# KiCad board BioAmp-EXG-Panel.kicad_pcb (continued)
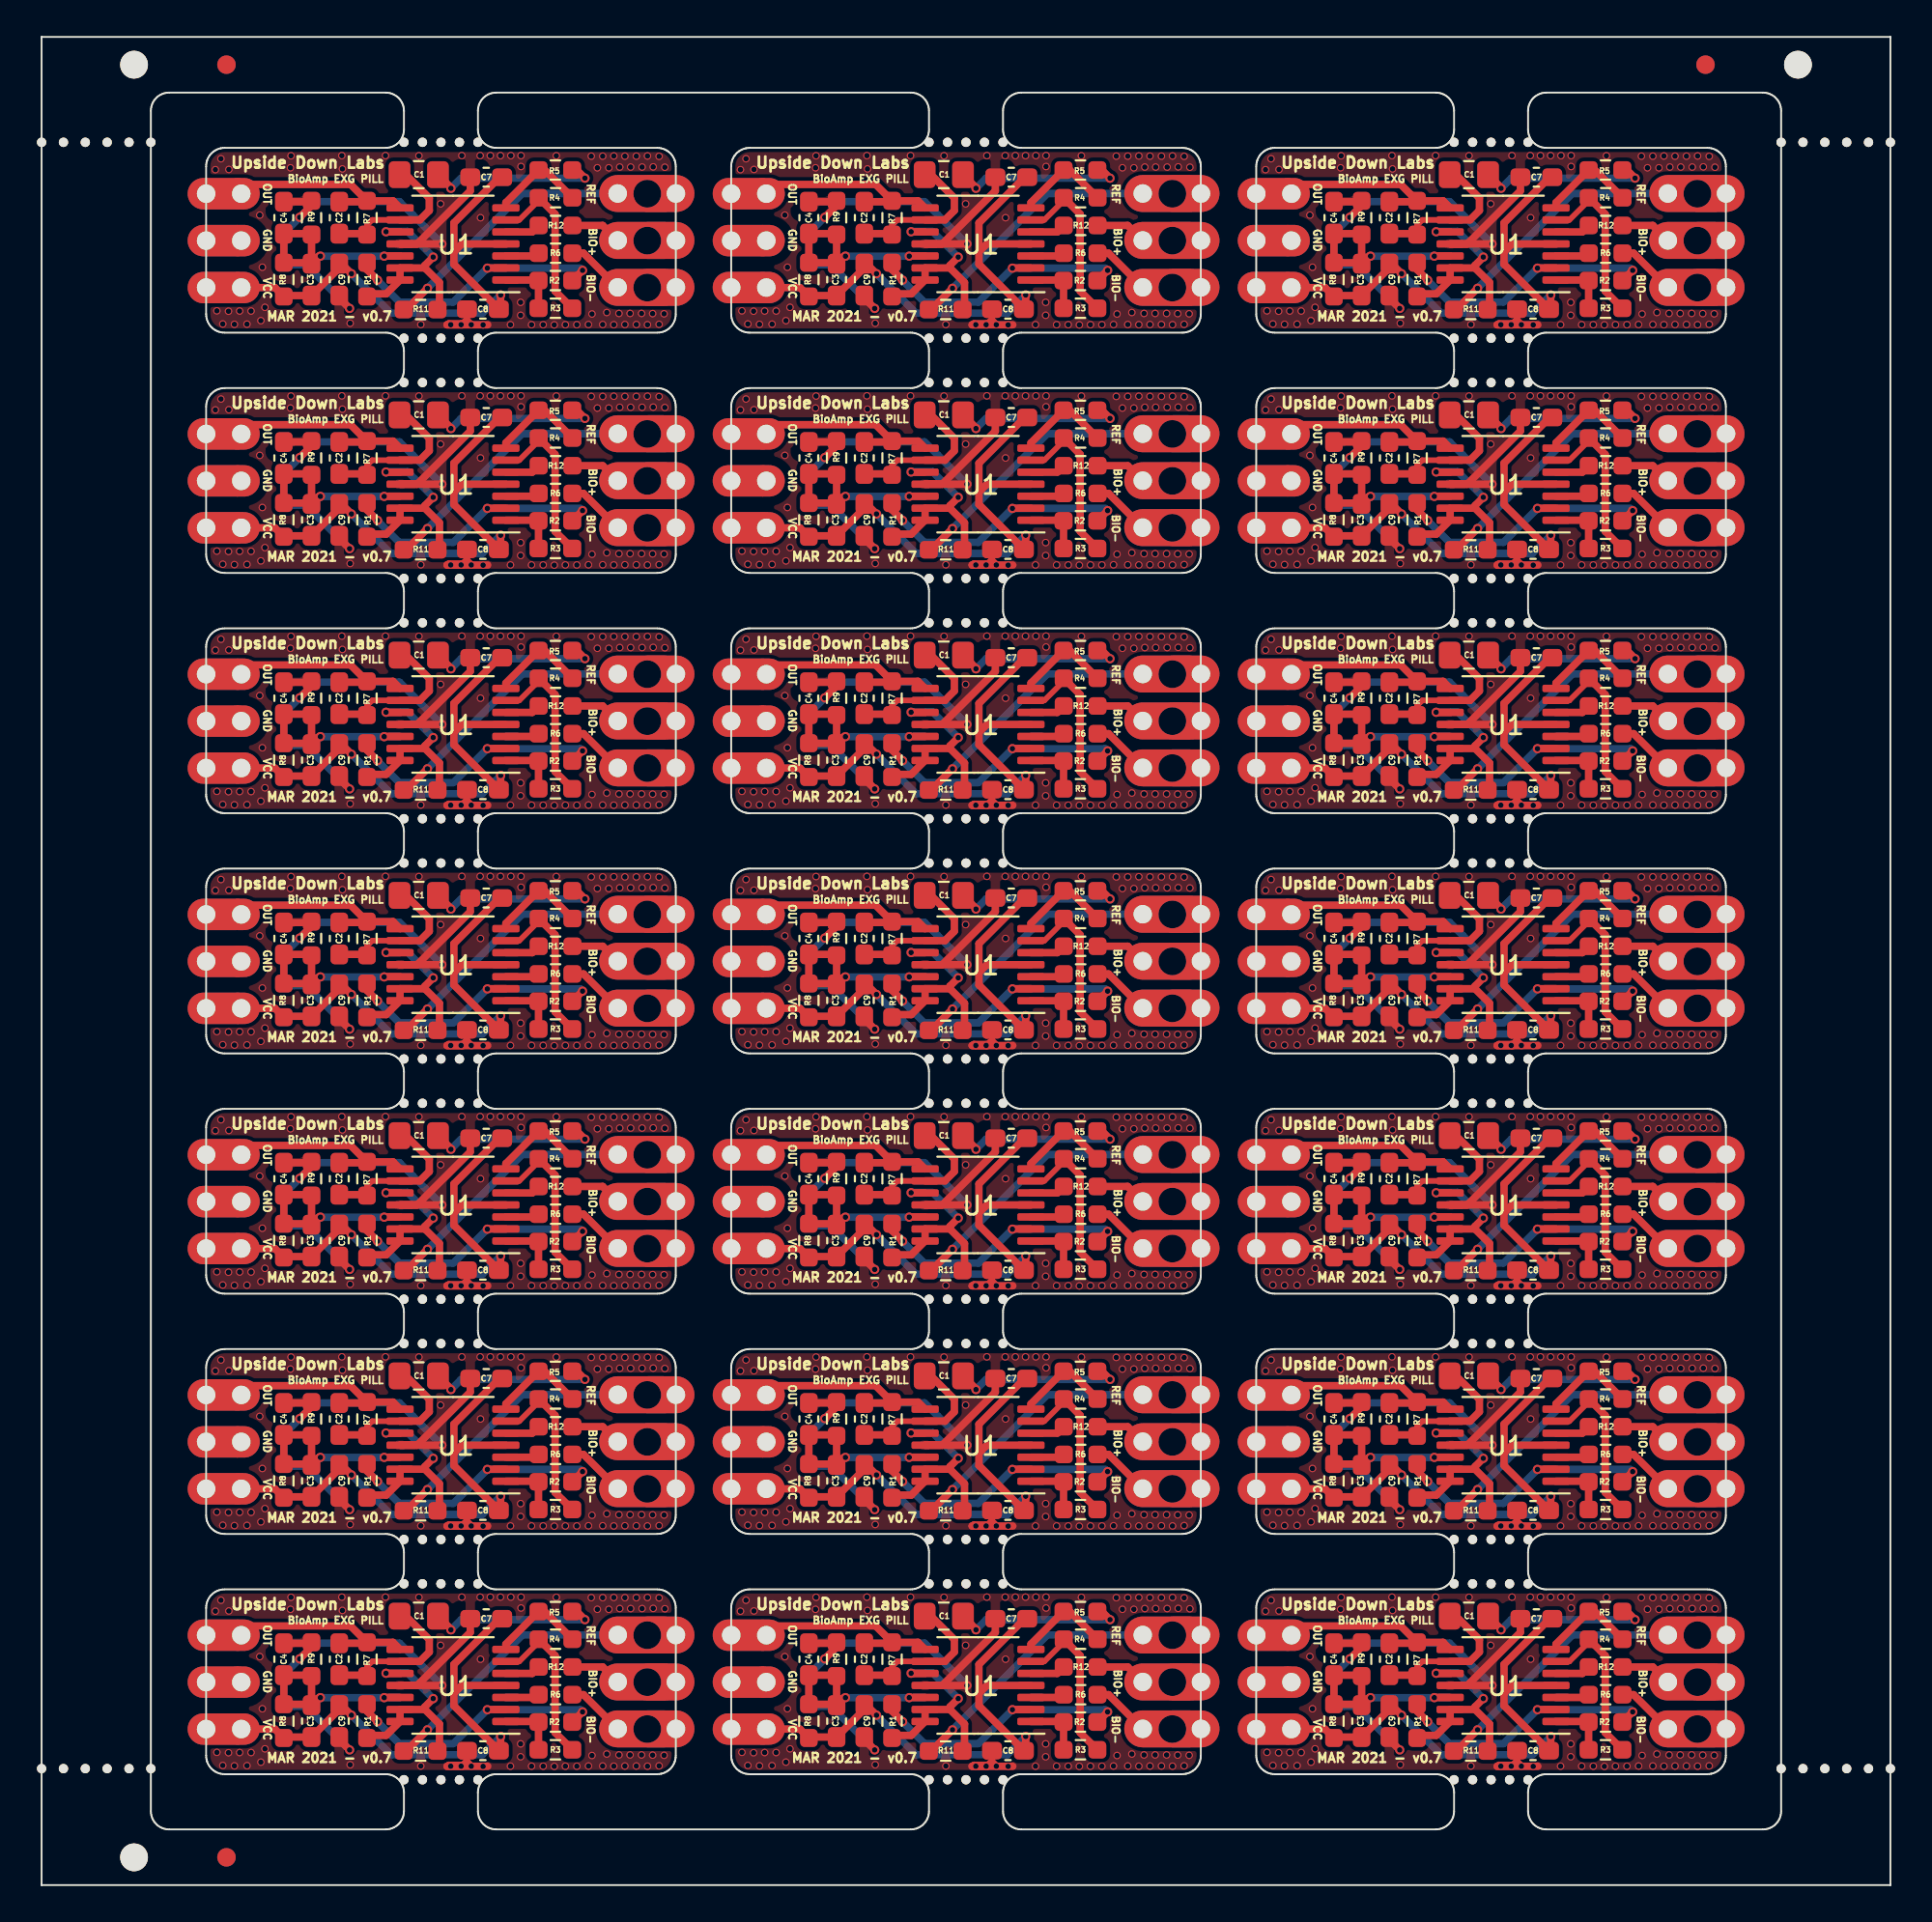
[diagram p0: board, top side]
## Routing (per net, layer and track width the routed paths; a pad name or vN(x,y) marks a point on that pad's centre or on a via; arc(x,y) is an arc through that point) (continued)
  vias: v1(61.16,88.98)
Board_2-BIO-: length 5.3
  Top w0.4: 59.29,86.41 61.1,86.41 ; 57.4,88.3 R6#2.2 57.71,88.3 J1#4.3
  vias: v1(61.16,86.44)
Board_2-DRL: length 14.3
  Top w0.4: 47.99,85.34 R11#2.1 48.12,85.25 v2(49.27,86.4)
  Bottom w0.4: J1#4.1 54.4,91.53 v2(49.27,86.4)
  vias: v1(61.16,91.52)
Board_2-GND: length 35.9
  Top w0.3: 51.13,84.48 51.41,84.76 C8#2.1 51.41,84.72 51.65,84.48
  Top w0.4: C4#2.2 42.95,91.08 R9#2.1 43,90.88 v2(42.36,90.24) ; U1#2.11 48.7,88.8 ; U1#2.11 48.58,88.8 ; U1#2.11 48.71,88.8 51.59,91.67 C7#2.2 ; U1#2.11 v2(50.05,88.8) ; 51.49,85.25 51.34,85.25 ; 51.13,84.99 C8#2.1 51.65,85.03 ; 50.45,84.46 50.43,84.48 51.1,84.48 51.15,84.43 50.33,84.43 52.53,84.43 ; v2(45.06,85.31) 44.5,85.87 C9#2.1
  Bottom w0.4: v2(50.05,88.8) 47.76,91.09 43.21,91.09 v2(42.36,90.24) 41.5,89.38 41.5,88.21 42.04,87.67 42.7,87.67 v2(45.06,85.31)
  vias: v3(37.8,92.82) v3(37.88,85.18) v3(38.1,93.41) v3(38.2,84.47) v3(38.53,92.83) v3(38.51,85.16) v3(38.83,84.45) v3(39.11,85.17) v3(39.51,84.46) v3(39.73,85.17) v3(40.2,90.36) v3(40.34,87.54) v3(40.26,84.65) v3(40.48,85.37) v3(41.89,93.57) v3(41.86,92.92) v3(44.64,93.58) v3(44.67,92.86) v3(45.09,84.51) v3(47,93.58) v3(48.81,93.57) v3(48.91,84.44) v3(49.98,90.97) v3(50.53,84.43) v3(51.13,93.58) v3(51.09,84.43) v3(51.64,84.43) v3(52.12,93.58) v3(52.14,90.22) v3(52.28,84.42) v3(52.67,93.58) v3(53.22,93.58) v3(53.78,93.58) v3(53.76,84.43) v3(54.33,93.58) v3(54.33,92.99) v3(54.31,85.64) v3(54.31,84.94) v3(54.9,84.43) v3(55.53,84.43) v3(56.13,84.42) v3(56.24,93.57) v3(56.73,84.43) v3(57.35,84.43) v3(57.98,84.44) v3(58.13,93.55) v3(58.17,85.01) v3(58.46,92.92) v3(58.75,93.55) v3(58.75,84.44) v3(58.97,85.09) v3(59.08,92.92) v3(59.35,93.56) v3(59.35,84.43) v3(59.63,85.04) v3(59.67,92.96) v3(59.95,93.55) v3(59.95,84.44) v3(60.23,85.04) v3(60.26,92.96) v3(60.57,93.55) v3(60.57,84.44) v3(60.88,92.96) v3(60.85,85.04) v3(61.17,93.56) v3(61.17,84.43) v3(61.48,92.97) v3(61.45,85.03) v3(61.8,93.54) v3(61.8,84.45) v3(62.11,92.95) v3(62.07,85.02)
Board_2-inaOUT: length 5.2
  Top w0.4: R4#2.1 55.61,92.8 R5#2.2 53.51,91.03 U1#2.7
Board_2-Net-(C1-Pad1): length 8.6
  Top w0.3: U1#2.9 46.28,90.1 46,89.82 R7#2.2
  Top w0.4: R7#2.2 45.95,89.36 C2#2.2 ; 47.8,92.55 C1#2.1 48.11,92.55 49.37,91.29 49.37,90.61 48.86,90.1 U1#2.9
Board_2-Net-(C1-Pad2): length 9.4
  Top w0.4: 49.84,92.59 C1#2.2 50.54,91.85 v2(50.54,91.81) ; v2(57.79,92.36) 57.35,92.8 R5#2.1
  Bottom w0.4: v2(50.54,91.81) 51.09,92.36 v2(57.79,92.36)
Board_2-Net-(R1-Pad1): length 15.3
  Top w0.4: v2(52.51,87.49) 52.52,87.5 U1#2.2 ; v2(57.66,87.37) 57.11,86.82 R2#2.2 ; v2(46.57,86.84) 46,87.41 R1#2.1
  Bottom w0.4: v2(57.66,87.37) 57.54,87.49 v2(52.51,87.49) 50.67,85.65 47.75,85.65 46.61,86.79
Board_2-Net-(R2-Pad1): length 3.3
  Top w0.4: R3#2.2 R2#2.1 55.25,86.85 U1#2.1
Board_2-Net-(R3-Pad1): length 9.1
  Top w0.3: U1#2.6 54.24,90.1 55.29,91.15 R4#2.2
  Top w0.4: R3#2.1 56.18,86.25 56.18,90.41 R4#2.2
Board_2-Net-(R6-Pad1): length 1.8
  Top w0.4: R6#2.1 55.14,88.15 U1#2.3
Board_2-Net-(R12-Pad1): length 1.9
  Top w0.4: R12#2.1 54.94,89.45 U1#2.5
Board_2-OUT: length 11.2
  Top w0.4: R7#2.1 45.95,91.08 C2#2.1 ; R7#2.1 45.11,92.02 39.31,92.02 38.81,91.52 ; R7#2.1 47.41,91.13 U1#2.8
Board_2-VCC: length 30.7
  Top w0.4: 38.81,86.44 41.02,86.44 R8#2.2 41.55,86.01 C3#2.1 44.5,87.51 C9#2.2 44.62,87.73 v2(45.16,87.19) ; 53.21,85.25 53.21,85.52 ; 53.21,85.25 53.21,85.26 ; 53.21,85.25 53.21,85.27 ; U1#2.4 51.13,88.8 50.7,88.37 ; 50.7,88.37 50.7,89.94 53.17,92.41 C7#2.1 ; 50.7,88.37 50.7,87.7 C8#2.2 53.23,85.37 v2(53.23,86.04)
  Top w0.5: 39.15,86.24 38.97,86.42
  Bottom w0.4: v2(53.23,86.04) 52.24,85.05 47.3,85.05 v2(45.16,87.19)
Board_2-vRef: length 11.4
  Top w0.4: C3#2.2 R9#2.2 42.95,89.36 C4#2.1 R8#2.1 42.95,87.78 C3#2.2 ; C3#2.2 43.11,87.73 ; C3#2.2 43.09,87.73 ; C3#2.2 43.41,88.14 v2(43.48,88.14) ; v2(46.93,88.14) 46.94,88.15 U1#2.12
  Bottom w0.4: v2(46.93,88.14) v2(43.48,88.14)
Board_3-ampRef: length 11.4
  Top w0.4: R1#3.2 74.54,86.1 75.44,86.1 U1#3.14 U1#3.13 77.53,87.5 ; R11#3.2 78.32,85.36 78.32,86.71 77.53,87.5 ; 77.53,87.5 77.53,87.64 v2(77.98,88.09) ; 75.43,89.48 75.46,89.45 U1#3.10
  Bottom w0.4: v2(77.98,88.09) 76.59,89.48 75.43,89.48
  vias: v2(75.43,89.46)
Board_3-BIO+: length 2.9
  Top w0.4: 85.6,89.8 R12#3.2 87.15,89.8 J1#6.2
  vias: v1(89.56,88.98)
Board_3-BIO-: length 5.3
  Top w0.4: 87.69,86.41 89.5,86.41 ; 85.8,88.3 R6#3.2 86.11,88.3 J1#6.3
  vias: v1(89.56,86.44)
Board_3-DRL: length 14.3
  Top w0.4: 76.39,85.34 R11#3.1 76.52,85.25 v2(77.67,86.4)
  Bottom w0.4: J1#6.1 82.8,91.53 v2(77.67,86.4)
  vias: v1(89.56,91.52)
Board_3-GND: length 35.9
  Top w0.3: 79.53,84.48 79.81,84.76 C8#3.1 79.81,84.72 80.05,84.48
  Top w0.4: C4#3.2 71.35,91.08 R9#3.1 71.4,90.88 v2(70.76,90.24) ; U1#3.11 77.1,88.8 ; U1#3.11 76.98,88.8 ; U1#3.11 77.11,88.8 79.99,91.67 C7#3.2 ; U1#3.11 v2(78.45,88.8) ; 79.89,85.25 79.74,85.25 ; 79.53,84.99 C8#3.1 80.05,85.03 ; 78.85,84.46 78.83,84.48 79.5,84.48 79.56,84.43 78.73,84.43 80.93,84.43 ; v2(73.46,85.31) 72.9,85.87 C9#3.1
  Bottom w0.4: v2(78.45,88.8) 76.16,91.09 71.61,91.09 v2(70.76,90.24) 69.9,89.38 69.9,88.21 70.44,87.67 71.1,87.67 v2(73.46,85.31)
  vias: v3(66.2,92.82) v3(66.28,85.18) v3(66.5,93.41) v3(66.6,84.47) v3(66.93,92.83) v3(66.91,85.16) v3(67.23,84.45) v3(67.51,85.17) v3(67.91,84.46) v3(68.13,85.17) v3(68.6,90.36) v3(68.74,87.54) v3(68.66,84.65) v3(68.88,85.37) v3(70.29,93.57) v3(70.26,92.92) v3(73.04,93.58) v3(73.07,92.86) v3(73.49,84.51) v3(75.4,93.58) v3(77.21,93.57) v3(77.31,84.44) v3(78.38,90.97) v3(78.93,84.43) v3(79.53,93.58) v3(79.49,84.43) v3(80.04,84.43) v3(80.52,93.58) v3(80.54,90.22) v3(80.68,84.42) v3(81.07,93.58) v3(81.62,93.58) v3(82.18,93.58) v3(82.16,84.43) v3(82.73,93.58) v3(82.73,92.99) v3(82.71,85.64) v3(82.71,84.94) v3(83.3,84.43) v3(83.93,84.43) v3(84.53,84.42) v3(84.64,93.57) v3(85.13,84.43) v3(85.75,84.43) v3(86.38,84.44) v3(86.53,93.55) v3(86.57,85.01) v3(86.86,92.92) v3(87.15,93.55) v3(87.15,84.44) v3(87.37,85.09) v3(87.48,92.92) v3(87.75,93.56) v3(87.75,84.43) v3(88.03,85.04) v3(88.07,92.96) v3(88.35,93.55) v3(88.35,84.44) v3(88.63,85.04) v3(88.66,92.96) v3(88.97,93.55) v3(88.97,84.44) v3(89.28,92.96) v3(89.25,85.04) v3(89.57,93.56) v3(89.57,84.43) v3(89.88,92.97) v3(89.85,85.03) v3(90.2,93.54) v3(90.2,84.45) v3(90.51,92.95) v3(90.47,85.02)
Board_3-inaOUT: length 5.2
  Top w0.4: R4#3.1 84.01,92.8 R5#3.2 81.91,91.03 U1#3.7
Board_3-Net-(C1-Pad1): length 8.6
  Top w0.3: U1#3.9 74.68,90.1 74.4,89.82 R7#3.2
  Top w0.4: R7#3.2 74.35,89.36 C2#3.2 ; 76.2,92.55 C1#3.1 76.51,92.55 77.77,91.29 77.77,90.61 77.26,90.1 U1#3.9
Board_3-Net-(C1-Pad2): length 9.4
  Top w0.4: 78.24,92.59 C1#3.2 78.94,91.85 v2(78.94,91.81) ; v2(86.19,92.36) 85.75,92.8 R5#3.1
  Bottom w0.4: v2(78.94,91.81) 79.49,92.36 v2(86.19,92.36)
Board_3-Net-(R1-Pad1): length 15.3
  Top w0.4: v2(80.91,87.49) 80.92,87.5 U1#3.2 ; v2(86.06,87.37) 85.51,86.82 R2#3.2 ; v2(74.97,86.84) 74.4,87.41 R1#3.1
  Bottom w0.4: v2(86.06,87.37) 85.94,87.49 v2(80.91,87.49) 79.07,85.65 76.15,85.65 75.01,86.79
Board_3-Net-(R2-Pad1): length 3.3
  Top w0.4: R3#3.2 R2#3.1 83.65,86.85 U1#3.1
Board_3-Net-(R3-Pad1): length 9.1
  Top w0.3: U1#3.6 82.64,90.1 83.69,91.15 R4#3.2
  Top w0.4: R3#3.1 84.58,86.25 84.58,90.41 R4#3.2
Board_3-Net-(R6-Pad1): length 1.8
  Top w0.4: R6#3.1 83.54,88.15 U1#3.3
Board_3-Net-(R12-Pad1): length 1.9
  Top w0.4: R12#3.1 83.34,89.45 U1#3.5
Board_3-OUT: length 11.2
  Top w0.4: R7#3.1 74.35,91.08 C2#3.1 ; R7#3.1 73.51,92.02 67.71,92.02 67.21,91.52 ; R7#3.1 75.81,91.13 U1#3.8
Board_3-VCC: length 30.7
  Top w0.4: 67.21,86.44 69.42,86.44 R8#3.2 69.95,86.01 C3#3.1 72.9,87.51 C9#3.2 73.02,87.73 v2(73.56,87.19) ; 81.61,85.25 81.61,85.52 ; 81.61,85.25 81.61,85.26 ; 81.61,85.25 81.61,85.27 ; U1#3.4 79.53,88.8 79.1,88.37 ; 79.1,88.37 79.1,89.94 81.57,92.41 C7#3.1 ; 79.1,88.37 79.1,87.7 C8#3.2 81.63,85.37 v2(81.63,86.04)
  Top w0.5: 67.55,86.24 67.37,86.42
  Bottom w0.4: v2(81.63,86.04) 80.64,85.05 75.7,85.05 v2(73.56,87.19)
Board_3-vRef: length 11.4
  Top w0.4: C3#3.2 R9#3.2 71.35,89.36 C4#3.1 R8#3.1 71.35,87.78 C3#3.2 ; C3#3.2 71.51,87.73 ; C3#3.2 71.49,87.73 ; C3#3.2 71.81,88.14 v2(71.88,88.14) ; v2(75.33,88.14) 75.34,88.15 U1#3.12
  Bottom w0.4: v2(75.33,88.14) v2(71.88,88.14)
Board_4-ampRef: length 11.4
  Top w0.4: R1#4.2 17.74,73.1 18.64,73.1 U1#4.14 U1#4.13 20.73,74.5 ; R11#4.2 21.52,72.36 21.52,73.71 20.73,74.5 ; 20.73,74.5 20.73,74.64 v2(21.18,75.09) ; 18.63,76.48 18.66,76.45 U1#4.10
  Bottom w0.4: v2(21.18,75.09) 19.79,76.48 18.63,76.48
  vias: v2(18.63,76.46)
Board_4-BIO+: length 2.9
  Top w0.4: 28.8,76.8 R12#4.2 30.35,76.8 J1#8.2
  vias: v1(32.76,75.98)
Board_4-BIO-: length 5.3
  Top w0.4: 30.89,73.41 32.7,73.41 ; 29,75.3 R6#4.2 29.31,75.3 J1#8.3
  vias: v1(32.76,73.44)
Board_4-DRL: length 14.3
  Top w0.4: 19.59,72.34 R11#4.1 19.72,72.25 v2(20.87,73.4)
  Bottom w0.4: J1#8.1 26,78.53 v2(20.87,73.4)
  vias: v1(32.76,78.52)
Board_4-GND: length 35.9
  Top w0.3: 22.73,71.48 23.01,71.76 C8#4.1 23.01,71.72 23.25,71.48
  Top w0.4: C4#4.2 14.55,78.08 R9#4.1 14.6,77.88 v2(13.96,77.24) ; U1#4.11 20.3,75.8 ; U1#4.11 20.18,75.8 ; U1#4.11 20.31,75.8 23.19,78.67 C7#4.2 ; U1#4.11 v2(21.65,75.8) ; 23.09,72.25 22.94,72.25 ; 22.73,71.99 C8#4.1 23.25,72.03 ; 22.05,71.46 22.03,71.48 22.7,71.48 22.75,71.42 21.93,71.42 24.13,71.42 ; v2(16.66,72.31) 16.1,72.87 C9#4.1
  Bottom w0.4: v2(21.65,75.8) 19.36,78.09 14.81,78.09 v2(13.96,77.24) 13.1,76.38 13.1,75.21 13.64,74.67 14.3,74.67 v2(16.66,72.31)
  vias: v3(9.4,79.82) v3(9.48,72.18) v3(9.7,80.41) v3(9.8,71.47) v3(10.13,79.83) v3(10.11,72.16) v3(10.43,71.45) v3(10.71,72.17) v3(11.11,71.46) v3(11.33,72.17) v3(11.8,77.36) v3(11.94,74.54) v3(11.86,71.65) v3(12.08,72.37) v3(13.49,80.57) v3(13.46,79.92) v3(16.24,80.58) v3(16.27,79.86) v3(16.69,71.51) v3(18.6,80.58) v3(20.41,80.57) v3(20.51,71.44) v3(21.58,77.97) v3(22.13,71.43) v3(22.73,80.58) v3(22.69,71.43) v3(23.24,71.43) v3(23.72,80.58) v3(23.74,77.22) v3(23.88,71.42) v3(24.27,80.58) v3(24.82,80.58) v3(25.38,80.58) v3(25.36,71.43) v3(25.93,80.58) v3(25.93,79.99) v3(25.91,72.64) v3(25.91,71.94) v3(26.5,71.43) v3(27.13,71.43) v3(27.73,71.42) v3(27.84,80.57) v3(28.33,71.43) v3(28.95,71.43) v3(29.58,71.44) v3(29.73,80.55) v3(29.77,72.01) v3(30.06,79.92) v3(30.35,80.55) v3(30.35,71.44) v3(30.57,72.09) v3(30.68,79.92) v3(30.95,80.56) v3(30.95,71.43) v3(31.23,72.04) v3(31.27,79.96) v3(31.55,80.55) v3(31.55,71.44) v3(31.83,72.04) v3(31.86,79.96) v3(32.17,80.55) v3(32.17,71.44) v3(32.48,79.96) v3(32.45,72.04) v3(32.77,80.56) v3(32.77,71.43) v3(33.08,79.97) v3(33.05,72.03) v3(33.4,80.54) v3(33.4,71.45) v3(33.71,79.95) v3(33.67,72.02)
Board_4-inaOUT: length 5.2
  Top w0.4: R4#4.1 27.21,79.8 R5#4.2 25.11,78.03 U1#4.7
Board_4-Net-(C1-Pad1): length 8.6
  Top w0.3: U1#4.9 17.88,77.1 17.6,76.82 R7#4.2
  Top w0.4: R7#4.2 17.55,76.36 C2#4.2 ; 19.4,79.55 C1#4.1 19.71,79.55 20.97,78.29 20.97,77.61 20.46,77.1 U1#4.9
Board_4-Net-(C1-Pad2): length 9.4
  Top w0.4: 21.44,79.59 C1#4.2 22.14,78.85 v2(22.14,78.81) ; v2(29.39,79.36) 28.95,79.8 R5#4.1
  Bottom w0.4: v2(22.14,78.81) 22.69,79.36 v2(29.39,79.36)
Board_4-Net-(R1-Pad1): length 15.3
  Top w0.4: v2(24.11,74.49) 24.12,74.5 U1#4.2 ; v2(29.26,74.37) 28.71,73.82 R2#4.2 ; v2(18.17,73.84) 17.6,74.41 R1#4.1
  Bottom w0.4: v2(29.26,74.37) 29.14,74.49 v2(24.11,74.49) 22.27,72.65 19.35,72.65 18.21,73.79
Board_4-Net-(R2-Pad1): length 3.3
  Top w0.4: R3#4.2 R2#4.1 26.85,73.85 U1#4.1
Board_4-Net-(R3-Pad1): length 9.1
  Top w0.3: U1#4.6 25.84,77.1 26.89,78.15 R4#4.2
  Top w0.4: R3#4.1 27.78,73.25 27.78,77.41 R4#4.2
Board_4-Net-(R6-Pad1): length 1.8
  Top w0.4: R6#4.1 26.74,75.15 U1#4.3
Board_4-Net-(R12-Pad1): length 1.9
  Top w0.4: R12#4.1 26.54,76.45 U1#4.5
Board_4-OUT: length 11.2
  Top w0.4: R7#4.1 17.55,78.08 C2#4.1 ; R7#4.1 16.71,79.02 10.91,79.02 10.41,78.52 ; R7#4.1 19.01,78.13 U1#4.8
Board_4-VCC: length 30.7
  Top w0.4: 10.41,73.44 12.62,73.44 R8#4.2 13.15,73.01 C3#4.1 16.1,74.51 C9#4.2 16.22,74.73 v2(16.76,74.19) ; 24.81,72.25 24.81,72.52 ; 24.81,72.25 24.81,72.26 ; 24.81,72.25 24.81,72.27 ; U1#4.4 22.73,75.8 22.3,75.37 ; 22.3,75.37 22.3,76.94 24.77,79.41 C7#4.1 ; 22.3,75.37 22.3,74.7 C8#4.2 24.83,72.37 v2(24.83,73.04)
  Top w0.5: 10.75,73.24 10.57,73.42
  Bottom w0.4: v2(24.83,73.04) 23.84,72.05 18.9,72.05 v2(16.76,74.19)
Board_4-vRef: length 11.4
  Top w0.4: C3#4.2 R9#4.2 14.55,76.36 C4#4.1 R8#4.1 14.55,74.78 C3#4.2 ; C3#4.2 14.71,74.73 ; C3#4.2 14.69,74.73 ; C3#4.2 15.01,75.14 v2(15.08,75.14) ; v2(18.53,75.14) 18.54,75.15 U1#4.12
  Bottom w0.4: v2(18.53,75.14) v2(15.08,75.14)
Board_5-ampRef: length 11.4
  Top w0.4: R1#5.2 46.14,73.1 47.04,73.1 U1#5.14 U1#5.13 49.13,74.5 ; R11#5.2 49.92,72.36 49.92,73.71 49.13,74.5 ; 49.13,74.5 49.13,74.64 v2(49.58,75.09) ; 47.03,76.48 47.06,76.45 U1#5.10
  Bottom w0.4: v2(49.58,75.09) 48.19,76.48 47.03,76.48
  vias: v2(47.03,76.46)
Board_5-BIO+: length 2.9
  Top w0.4: 57.2,76.8 R12#5.2 58.75,76.8 J1#10.2
  vias: v1(61.16,75.98)
Board_5-BIO-: length 5.3
  Top w0.4: 59.29,73.41 61.1,73.41 ; 57.4,75.3 R6#5.2 57.71,75.3 J1#10.3
  vias: v1(61.16,73.44)
Board_5-DRL: length 14.3
  Top w0.4: 47.99,72.34 R11#5.1 48.12,72.25 v2(49.27,73.4)
  Bottom w0.4: J1#10.1 54.4,78.53 v2(49.27,73.4)
  vias: v1(61.16,78.52)
Board_5-GND: length 35.9
  Top w0.3: 51.13,71.48 51.41,71.76 C8#5.1 51.41,71.72 51.65,71.48
  Top w0.4: C4#5.2 42.95,78.08 R9#5.1 43,77.88 v2(42.36,77.24) ; U1#5.11 48.7,75.8 ; U1#5.11 48.58,75.8 ; U1#5.11 48.71,75.8 51.59,78.67 C7#5.2 ; U1#5.11 v2(50.05,75.8) ; 51.49,72.25 51.34,72.25 ; 51.13,71.99 C8#5.1 51.65,72.03 ; 50.45,71.46 50.43,71.48 51.1,71.48 51.15,71.42 50.33,71.42 52.53,71.42 ; v2(45.06,72.31) 44.5,72.87 C9#5.1
  Bottom w0.4: v2(50.05,75.8) 47.76,78.09 43.21,78.09 v2(42.36,77.24) 41.5,76.38 41.5,75.21 42.04,74.67 42.7,74.67 v2(45.06,72.31)
  vias: v3(37.8,79.82) v3(37.88,72.18) v3(38.1,80.41) v3(38.2,71.47) v3(38.53,79.83) v3(38.51,72.16) v3(38.83,71.45) v3(39.11,72.17) v3(39.51,71.46) v3(39.73,72.17) v3(40.2,77.36) v3(40.34,74.54) v3(40.26,71.65) v3(40.48,72.37) v3(41.89,80.57) v3(41.86,79.92) v3(44.64,80.58) v3(44.67,79.86) v3(45.09,71.51) v3(47,80.58) v3(48.81,80.57) v3(48.91,71.44) v3(49.98,77.97) v3(50.53,71.43) v3(51.13,80.58) v3(51.09,71.43) v3(51.64,71.43) v3(52.12,80.58) v3(52.14,77.22) v3(52.28,71.42) v3(52.67,80.58) v3(53.22,80.58) v3(53.78,80.58) v3(53.76,71.43) v3(54.33,80.58) v3(54.33,79.99) v3(54.31,72.64) v3(54.31,71.94) v3(54.9,71.43) v3(55.53,71.43) v3(56.13,71.42) v3(56.24,80.57) v3(56.73,71.43) v3(57.35,71.43) v3(57.98,71.44) v3(58.13,80.55) v3(58.17,72.01) v3(58.46,79.92) v3(58.75,80.55) v3(58.75,71.44) v3(58.97,72.09) v3(59.08,79.92) v3(59.35,80.56) v3(59.35,71.43) v3(59.63,72.04) v3(59.67,79.96) v3(59.95,80.55) v3(59.95,71.44) v3(60.23,72.04) v3(60.26,79.96) v3(60.57,80.55) v3(60.57,71.44) v3(60.88,79.96) v3(60.85,72.04) v3(61.17,80.56) v3(61.17,71.43) v3(61.48,79.97) v3(61.45,72.03) v3(61.8,80.54) v3(61.8,71.45) v3(62.11,79.95) v3(62.07,72.02)
Board_5-inaOUT: length 5.2
  Top w0.4: R4#5.1 55.61,79.8 R5#5.2 53.51,78.03 U1#5.7
Board_5-Net-(C1-Pad1): length 8.6
  Top w0.3: U1#5.9 46.28,77.1 46,76.82 R7#5.2
  Top w0.4: R7#5.2 45.95,76.36 C2#5.2 ; 47.8,79.55 C1#5.1 48.11,79.55 49.37,78.29 49.37,77.61 48.86,77.1 U1#5.9
Board_5-Net-(C1-Pad2): length 9.4
  Top w0.4: 49.84,79.59 C1#5.2 50.54,78.85 v2(50.54,78.81) ; v2(57.79,79.36) 57.35,79.8 R5#5.1
  Bottom w0.4: v2(50.54,78.81) 51.09,79.36 v2(57.79,79.36)
Board_5-Net-(R1-Pad1): length 15.3
  Top w0.4: v2(52.51,74.49) 52.52,74.5 U1#5.2 ; v2(57.66,74.37) 57.11,73.82 R2#5.2 ; v2(46.57,73.84) 46,74.41 R1#5.1
  Bottom w0.4: v2(57.66,74.37) 57.54,74.49 v2(52.51,74.49) 50.67,72.65 47.75,72.65 46.61,73.79
Board_5-Net-(R2-Pad1): length 3.3
  Top w0.4: R3#5.2 R2#5.1 55.25,73.85 U1#5.1
Board_5-Net-(R3-Pad1): length 9.1
  Top w0.3: U1#5.6 54.24,77.1 55.29,78.15 R4#5.2
  Top w0.4: R3#5.1 56.18,73.25 56.18,77.41 R4#5.2
Board_5-Net-(R6-Pad1): length 1.8
  Top w0.4: R6#5.1 55.14,75.15 U1#5.3
Board_5-Net-(R12-Pad1): length 1.9
  Top w0.4: R12#5.1 54.94,76.45 U1#5.5
Board_5-OUT: length 11.2
  Top w0.4: R7#5.1 45.95,78.08 C2#5.1 ; R7#5.1 45.11,79.02 39.31,79.02 38.81,78.52 ; R7#5.1 47.41,78.13 U1#5.8
Board_5-VCC: length 30.7
  Top w0.4: 38.81,73.44 41.02,73.44 R8#5.2 41.55,73.01 C3#5.1 44.5,74.51 C9#5.2 44.62,74.73 v2(45.16,74.19) ; 53.21,72.25 53.21,72.52 ; 53.21,72.25 53.21,72.26 ; 53.21,72.25 53.21,72.27 ; U1#5.4 51.13,75.8 50.7,75.37 ; 50.7,75.37 50.7,76.94 53.17,79.41 C7#5.1 ; 50.7,75.37 50.7,74.7 C8#5.2 53.23,72.37 v2(53.23,73.04)
  Top w0.5: 39.15,73.24 38.97,73.42
  Bottom w0.4: v2(53.23,73.04) 52.24,72.05 47.3,72.05 v2(45.16,74.19)
Board_5-vRef: length 11.4
  Top w0.4: C3#5.2 R9#5.2 42.95,76.36 C4#5.1 R8#5.1 42.95,74.78 C3#5.2 ; C3#5.2 43.11,74.73 ; C3#5.2 43.09,74.73 ; C3#5.2 43.41,75.14 v2(43.48,75.14) ; v2(46.93,75.14) 46.94,75.15 U1#5.12
  Bottom w0.4: v2(46.93,75.14) v2(43.48,75.14)
Board_6-ampRef: length 11.4
  Top w0.4: R1#6.2 74.54,73.1 75.44,73.1 U1#6.14 U1#6.13 77.53,74.5 ; R11#6.2 78.32,72.36 78.32,73.71 77.53,74.5 ; 77.53,74.5 77.53,74.64 v2(77.98,75.09) ; 75.43,76.48 75.46,76.45 U1#6.10
  Bottom w0.4: v2(77.98,75.09) 76.59,76.48 75.43,76.48
  vias: v2(75.43,76.46)
Board_6-BIO+: length 2.9
  Top w0.4: 85.6,76.8 R12#6.2 87.15,76.8 J1#12.2
  vias: v1(89.56,75.98)
Board_6-BIO-: length 5.3
  Top w0.4: 87.69,73.41 89.5,73.41 ; 85.8,75.3 R6#6.2 86.11,75.3 J1#12.3
  vias: v1(89.56,73.44)
Board_6-DRL: length 14.3
  Top w0.4: 76.39,72.34 R11#6.1 76.52,72.25 v2(77.67,73.4)
  Bottom w0.4: J1#12.1 82.8,78.53 v2(77.67,73.4)
  vias: v1(89.56,78.52)
Board_6-GND: length 35.9
  Top w0.3: 79.53,71.48 79.81,71.76 C8#6.1 79.81,71.72 80.05,71.48
  Top w0.4: C4#6.2 71.35,78.08 R9#6.1 71.4,77.88 v2(70.76,77.24) ; U1#6.11 77.1,75.8 ; U1#6.11 76.98,75.8 ; U1#6.11 77.11,75.8 79.99,78.67 C7#6.2 ; U1#6.11 v2(78.45,75.8) ; 79.89,72.25 79.74,72.25 ; 79.53,71.99 C8#6.1 80.05,72.03 ; 78.85,71.46 78.83,71.48 79.5,71.48 79.56,71.42 78.73,71.42 80.93,71.42 ; v2(73.46,72.31) 72.9,72.87 C9#6.1
  Bottom w0.4: v2(78.45,75.8) 76.16,78.09 71.61,78.09 v2(70.76,77.24) 69.9,76.38 69.9,75.21 70.44,74.67 71.1,74.67 v2(73.46,72.31)
  vias: v3(66.2,79.82) v3(66.28,72.18) v3(66.5,80.41) v3(66.6,71.47) v3(66.93,79.83) v3(66.91,72.16) v3(67.23,71.45) v3(67.51,72.17) v3(67.91,71.46) v3(68.13,72.17) v3(68.6,77.36) v3(68.74,74.54) v3(68.66,71.65) v3(68.88,72.37) v3(70.29,80.57) v3(70.26,79.92) v3(73.04,80.58) v3(73.07,79.86) v3(73.49,71.51) v3(75.4,80.58) v3(77.21,80.57) v3(77.31,71.44) v3(78.38,77.97) v3(78.93,71.43) v3(79.53,80.58) v3(79.49,71.43) v3(80.04,71.43) v3(80.52,80.58) v3(80.54,77.22) v3(80.68,71.42) v3(81.07,80.58) v3(81.62,80.58) v3(82.18,80.58) v3(82.16,71.43) v3(82.73,80.58) v3(82.73,79.99) v3(82.71,72.64) v3(82.71,71.94) v3(83.3,71.43) v3(83.93,71.43) v3(84.53,71.42) v3(84.64,80.57) v3(85.13,71.43) v3(85.75,71.43) v3(86.38,71.44) v3(86.53,80.55) v3(86.57,72.01) v3(86.86,79.92) v3(87.15,80.55) v3(87.15,71.44) v3(87.37,72.09) v3(87.48,79.92) v3(87.75,80.56) v3(87.75,71.43) v3(88.03,72.04) v3(88.07,79.96) v3(88.35,80.55) v3(88.35,71.44) v3(88.63,72.04) v3(88.66,79.96) v3(88.97,80.55) v3(88.97,71.44) v3(89.28,79.96) v3(89.25,72.04) v3(89.57,80.56) v3(89.57,71.43) v3(89.88,79.97) v3(89.85,72.03) v3(90.2,80.54) v3(90.2,71.45) v3(90.51,79.95) v3(90.47,72.02)
Board_6-inaOUT: length 5.2
  Top w0.4: R4#6.1 84.01,79.8 R5#6.2 81.91,78.03 U1#6.7
Board_6-Net-(C1-Pad1): length 8.6
  Top w0.3: U1#6.9 74.68,77.1 74.4,76.82 R7#6.2
  Top w0.4: R7#6.2 74.35,76.36 C2#6.2 ; 76.2,79.55 C1#6.1 76.51,79.55 77.77,78.29 77.77,77.61 77.26,77.1 U1#6.9
Board_6-Net-(C1-Pad2): length 9.4
  Top w0.4: 78.24,79.59 C1#6.2 78.94,78.85 v2(78.94,78.81) ; v2(86.19,79.36) 85.75,79.8 R5#6.1
  Bottom w0.4: v2(78.94,78.81) 79.49,79.36 v2(86.19,79.36)
Board_6-Net-(R1-Pad1): length 15.3
  Top w0.4: v2(80.91,74.49) 80.92,74.5 U1#6.2 ; v2(86.06,74.37) 85.51,73.82 R2#6.2 ; v2(74.97,73.84) 74.4,74.41 R1#6.1
  Bottom w0.4: v2(86.06,74.37) 85.94,74.49 v2(80.91,74.49) 79.07,72.65 76.15,72.65 75.01,73.79
Board_6-Net-(R2-Pad1): length 3.3
  Top w0.4: R3#6.2 R2#6.1 83.65,73.85 U1#6.1
Board_6-Net-(R3-Pad1): length 9.1
  Top w0.3: U1#6.6 82.64,77.1 83.69,78.15 R4#6.2
  Top w0.4: R3#6.1 84.58,73.25 84.58,77.41 R4#6.2
Board_6-Net-(R6-Pad1): length 1.8
  Top w0.4: R6#6.1 83.54,75.15 U1#6.3
Board_6-Net-(R12-Pad1): length 1.9
  Top w0.4: R12#6.1 83.34,76.45 U1#6.5
Board_6-OUT: length 11.2
  Top w0.4: R7#6.1 74.35,78.08 C2#6.1 ; R7#6.1 73.51,79.02 67.71,79.02 67.21,78.52 ; R7#6.1 75.81,78.13 U1#6.8
Board_6-VCC: length 30.7
  Top w0.4: 67.21,73.44 69.42,73.44 R8#6.2 69.95,73.01 C3#6.1 72.9,74.51 C9#6.2 73.02,74.73 v2(73.56,74.19) ; 81.61,72.25 81.61,72.52 ; 81.61,72.25 81.61,72.26 ; 81.61,72.25 81.61,72.27 ; U1#6.4 79.53,75.8 79.1,75.37 ; 79.1,75.37 79.1,76.94 81.57,79.41 C7#6.1 ; 79.1,75.37 79.1,74.7 C8#6.2 81.63,72.37 v2(81.63,73.04)
  Top w0.5: 67.55,73.24 67.37,73.42
  Bottom w0.4: v2(81.63,73.04) 80.64,72.05 75.7,72.05 v2(73.56,74.19)
Board_6-vRef: length 11.4
  Top w0.4: C3#6.2 R9#6.2 71.35,76.36 C4#6.1 R8#6.1 71.35,74.78 C3#6.2 ; C3#6.2 71.51,74.73 ; C3#6.2 71.49,74.73 ; C3#6.2 71.81,75.14 v2(71.88,75.14) ; v2(75.33,75.14) 75.34,75.15 U1#6.12
  Bottom w0.4: v2(75.33,75.14) v2(71.88,75.14)
Board_7-ampRef: length 11.4
  Top w0.4: R1#7.2 17.74,60.1 18.64,60.1 U1#7.14 U1#7.13 20.73,61.5 ; R11#7.2 21.52,59.36 21.52,60.71 20.73,61.5 ; 20.73,61.5 20.73,61.64 v2(21.18,62.09) ; 18.63,63.48 18.66,63.45 U1#7.10
  Bottom w0.4: v2(21.18,62.09) 19.79,63.48 18.63,63.48
  vias: v2(18.63,63.46)
Board_7-BIO+: length 2.9
  Top w0.4: 28.8,63.8 R12#7.2 30.35,63.8 J1#14.2
  vias: v1(32.76,62.98)
Board_7-BIO-: length 5.3
  Top w0.4: 30.89,60.41 32.7,60.41 ; 29,62.3 R6#7.2 29.31,62.3 J1#14.3
  vias: v1(32.76,60.44)
Board_7-DRL: length 14.3
  Top w0.4: 19.59,59.34 R11#7.1 19.72,59.25 v2(20.87,60.4)
  Bottom w0.4: J1#14.1 26,65.53 v2(20.87,60.4)
  vias: v1(32.76,65.52)
Board_7-GND: length 35.9
  Top w0.3: 22.73,58.48 23.01,58.76 C8#7.1 23.01,58.72 23.25,58.48
  Top w0.4: C4#7.2 14.55,65.08 R9#7.1 14.6,64.88 v2(13.96,64.24) ; U1#7.11 20.3,62.8 ; U1#7.11 20.18,62.8 ; U1#7.11 20.31,62.8 23.19,65.67 C7#7.2 ; U1#7.11 v2(21.65,62.8) ; 23.09,59.25 22.94,59.25 ; 22.73,58.99 C8#7.1 23.25,59.03 ; 22.05,58.46 22.03,58.48 22.7,58.48 22.75,58.42 21.93,58.42 24.13,58.42 ; v2(16.66,59.31) 16.1,59.87 C9#7.1
  Bottom w0.4: v2(21.65,62.8) 19.36,65.09 14.81,65.09 v2(13.96,64.24) 13.1,63.38 13.1,62.21 13.64,61.67 14.3,61.67 v2(16.66,59.31)
  vias: v3(9.4,66.82) v3(9.48,59.18) v3(9.7,67.41) v3(9.8,58.47) v3(10.13,66.83) v3(10.11,59.16) v3(10.43,58.45) v3(10.71,59.17) v3(11.11,58.46) v3(11.33,59.17) v3(11.8,64.36) v3(11.94,61.54) v3(11.86,58.65) v3(12.08,59.37) v3(13.49,67.57) v3(13.46,66.92) v3(16.24,67.58) v3(16.27,66.86) v3(16.69,58.51) v3(18.6,67.58) v3(20.41,67.57) v3(20.51,58.44) v3(21.58,64.97) v3(22.13,58.43) v3(22.73,67.58) v3(22.69,58.43) v3(23.24,58.43) v3(23.72,67.58) v3(23.74,64.22) v3(23.88,58.42) v3(24.27,67.58) v3(24.82,67.58) v3(25.38,67.58) v3(25.36,58.43) v3(25.93,67.58) v3(25.93,66.99) v3(25.91,59.64) v3(25.91,58.94) v3(26.5,58.43) v3(27.13,58.43) v3(27.73,58.42) v3(27.84,67.57) v3(28.33,58.43) v3(28.95,58.43) v3(29.58,58.44) v3(29.73,67.55) v3(29.77,59.01) v3(30.06,66.92) v3(30.35,67.55) v3(30.35,58.44) v3(30.57,59.09) v3(30.68,66.92) v3(30.95,67.56) v3(30.95,58.43) v3(31.23,59.04) v3(31.27,66.96) v3(31.55,67.55) v3(31.55,58.44) v3(31.83,59.04) v3(31.86,66.96) v3(32.17,67.55) v3(32.17,58.44) v3(32.48,66.96) v3(32.45,59.04) v3(32.77,67.56) v3(32.77,58.43) v3(33.08,66.97) v3(33.05,59.03) v3(33.4,67.54) v3(33.4,58.45) v3(33.71,66.95) v3(33.67,59.02)
Board_7-inaOUT: length 5.2
  Top w0.4: R4#7.1 27.21,66.8 R5#7.2 25.11,65.03 U1#7.7
Board_7-Net-(C1-Pad1): length 8.6
  Top w0.3: U1#7.9 17.88,64.1 17.6,63.82 R7#7.2
  Top w0.4: R7#7.2 17.55,63.36 C2#7.2 ; 19.4,66.55 C1#7.1 19.71,66.55 20.97,65.29 20.97,64.61 20.46,64.1 U1#7.9
Board_7-Net-(C1-Pad2): length 9.4
  Top w0.4: 21.44,66.59 C1#7.2 22.14,65.85 v2(22.14,65.81) ; v2(29.39,66.36) 28.95,66.8 R5#7.1
  Bottom w0.4: v2(22.14,65.81) 22.69,66.36 v2(29.39,66.36)
Board_7-Net-(R1-Pad1): length 15.3
  Top w0.4: v2(24.11,61.49) 24.12,61.5 U1#7.2 ; v2(29.26,61.37) 28.71,60.82 R2#7.2 ; v2(18.17,60.84) 17.6,61.41 R1#7.1
  Bottom w0.4: v2(29.26,61.37) 29.14,61.49 v2(24.11,61.49) 22.27,59.65 19.35,59.65 18.21,60.79
Board_7-Net-(R2-Pad1): length 3.3
  Top w0.4: R3#7.2 R2#7.1 26.85,60.85 U1#7.1
Board_7-Net-(R3-Pad1): length 9.1
  Top w0.3: U1#7.6 25.84,64.1 26.89,65.15 R4#7.2
  Top w0.4: R3#7.1 27.78,60.25 27.78,64.41 R4#7.2
Board_7-Net-(R6-Pad1): length 1.8
  Top w0.4: R6#7.1 26.74,62.15 U1#7.3
Board_7-Net-(R12-Pad1): length 1.9
  Top w0.4: R12#7.1 26.54,63.45 U1#7.5
Board_7-OUT: length 11.2
  Top w0.4: R7#7.1 17.55,65.08 C2#7.1 ; R7#7.1 16.71,66.02 10.91,66.02 10.41,65.52 ; R7#7.1 19.01,65.13 U1#7.8
Board_7-VCC: length 30.7
  Top w0.4: 10.41,60.44 12.62,60.44 R8#7.2 13.15,60.01 C3#7.1 16.1,61.51 C9#7.2 16.22,61.73 v2(16.76,61.19) ; 24.81,59.25 24.81,59.52 ; 24.81,59.25 24.81,59.26 ; 24.81,59.25 24.81,59.27 ; U1#7.4 22.73,62.8 22.3,62.37 ; 22.3,62.37 22.3,63.94 24.77,66.41 C7#7.1 ; 22.3,62.37 22.3,61.7 C8#7.2 24.83,59.37 v2(24.83,60.04)
  Top w0.5: 10.75,60.24 10.57,60.42
  Bottom w0.4: v2(24.83,60.04) 23.84,59.05 18.9,59.05 v2(16.76,61.19)
